# Altium PCB Motor Interface.PcbDoc (part 2 of 2) (continued)
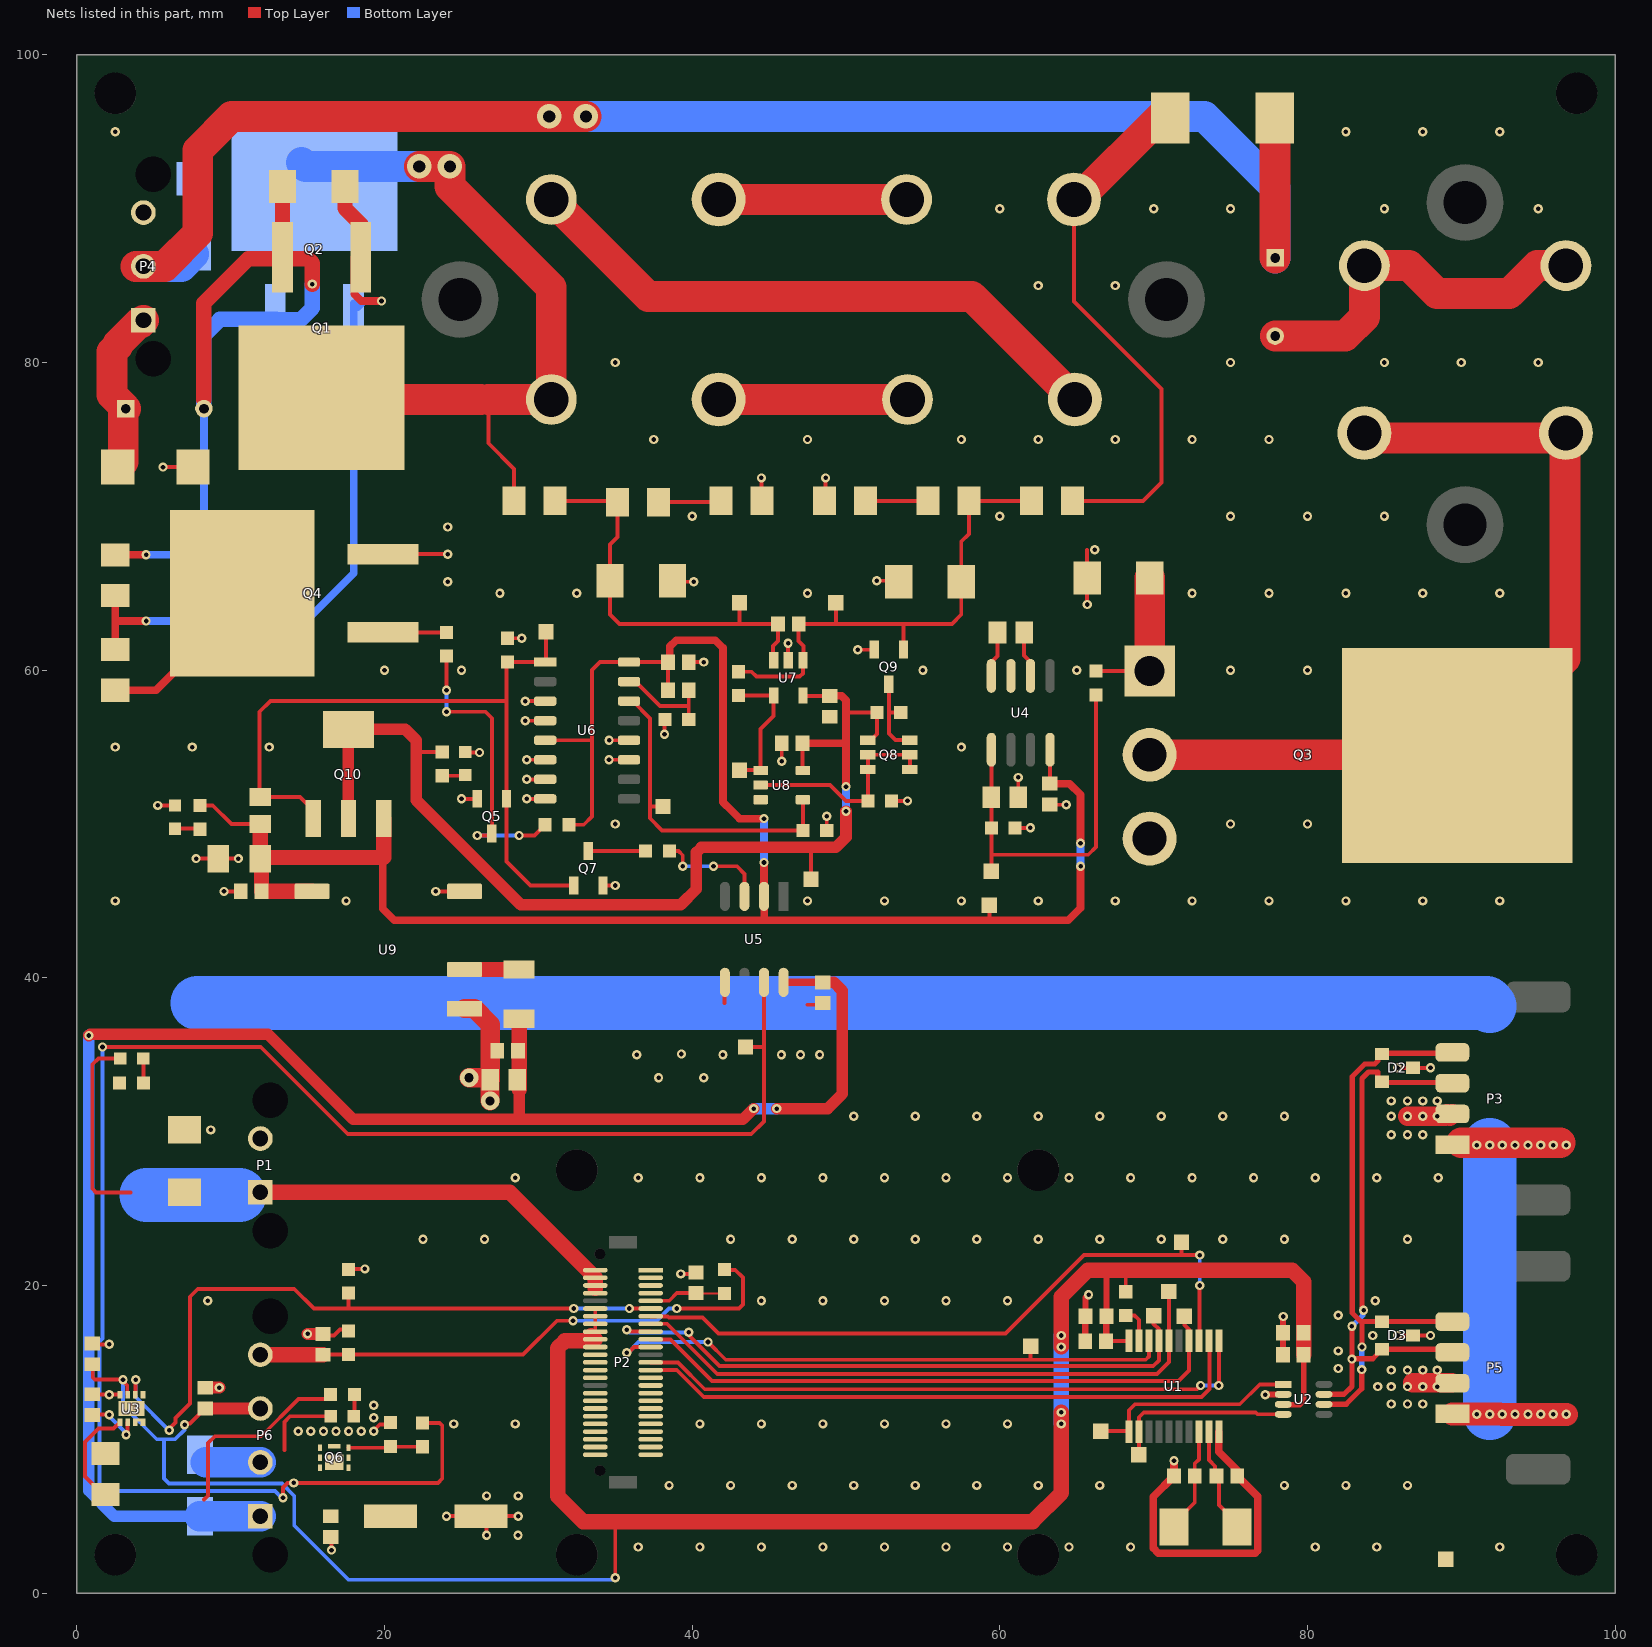
[diagram p2: the nets of this part, all layers, seen from the top]
## Part data (continued)
U9: "Isolated Module DC DC Converter 1 Output 12V 84mA 10.8V - 13.2V Input", Current - Output (Max)=84mA, Manufacturer 1="XP Power", Manufacturer Part Number 1=ISE1212A, Operating Temperature="-40°C ~ 105°C", Package / Case="8-SMD Module, 5 Leads", Power=1W, Supplier Part Number 1=1470-2950-1-ND, Voltage - Input (Max)=13.2V, Voltage - Input (Min)=10.8V, Voltage - Isolation="1.5kV (1500V)", Voltage - Output 1=12V, Voltage - Output 2=-, ComponentLink1Description=http://www.xppower.com/Portals/0/pdfs/SF_ISE.pdf, ComponentLink1URL=http://www.xppower.com/Portals/0/pdfs/SF_ISE.pdf, Efficiency=81%, Mounting Type="Surface Mount", Number of Outputs=1, Packaging="Cut Tape (CT)", Part Status=Active, Size / Dimension="0.50\" L x 0.44\" W x 0.29\" H (12.7mm x 11.2mm x 7.3mm)", Supplier 1=Digi-Key, Type="Isolated DCDC", Voltage - Output 3=-
Y1: "16MHz ±20ppm Crystal 18pF 40 Ohms 2-SMD, No Lead", Frequency=16MHz, Frequency Stability=±30ppm, Frequency Tolerance=±20ppm, Load Capacitance=18pF, Manufacturer="Abracon LLC", Manufacturer Part Number=ABM3-16.000MHZ-D2Y-T, Operating Mode=Fundamental, Operating Temperature="-40°C ~ 85°C", Package / Case="2-SMD, No Lead", Ratings=-, Supplier Part Number 1=535-10638-1-ND, Category="Crystals, Oscillators, Resonators", ComponentLink1Description=https://abracon.com/Resonators/abm3.pdf, ComponentLink1URL=https://abracon.com/Resonators/abm3.pdf, Height - Seated (Max)="0.051\" (1.30mm)", Mounting Type="Surface Mount", Packaging="Cut Tape (CT)", Part Status=Active, Pricing 1="1=1.02, 10=0.858, 50=0.7712, 100=0.6855, 500=0.6512 (CAD)", RoHS="RoHS Compliant", Size / Dimension="0.197\" L x 0.126\" W (5.00mm x 3.20mm)", Stock 1=27142, Supplier 1=Digi-Key, Type="MHz Crystal"

## Free pads (board coordinates)
  round 2.7 hole 2.7: ""(2.5,2.5) ""(2.5,97.5) ""(32.5,2.5) ""(32.5,27.5) ""(62.5,2.5) ""(62.5,27.5) ""(97.5,2.5) ""(97.5,97.5)

## Via types
v1: diameter 0.6, hole 0.3, Top Layer to Bottom Layer, tented both sides, 303 vias
v2: diameter 1.6, hole 0.8, Top Layer to Bottom Layer, tented both sides, 4 vias
v3: diameter 1.2, hole 0.6, Top Layer to Bottom Layer, tented both sides, 2 vias

## Nets (pads, with @x,y where several pads share a name; then routed paths per layer and width w, separated by ;. In a path a pad name is that pad's centre, name@x,y a point inside that pad or via, vN(x,y) a via of type N, cw(c..) or ccw(c..) an arc to the next point about the centre after c; other vN are vias at no path point)
3V3: C1.1 C2.1 C3.2 C4.2 C7.1 C8.1 P2.40 P2.41 P2.42 P2.43 P2.44 P2.45 P6.3 R2.2 U1.20 U2.3 U3.3 | length 152.6
  Top Layer w0.254: C8.1@1,14.875 1.032,14.843 1.032,14.024 1.181,13.875 v1(3,13.875) 3,13.781 3.277,13.504 3.277,12.923 U3.3@3.3,12.9 ; v1(7,10.95) 7.066,11.016 7.35,11.016 C7.1@8.333,12 ; P2.40@33.7,16 P2.41@33.7,16.5 ; P2.42@33.7,17 P2.43@33.7,17.5 P2.44@33.7,18 P2.45@33.7,18.5 ; v1(35,1) 35,4.65 ; C1.1@66.933,16.348 C1.1@66.907,16.374 66.916,16.383 66.933,16.4 U1.20@68.389,16.4 ; R2.2@68.188,19.591 68.188,21
  Top Layer w0.35: C2.1@66.916,17.991 C2.1@66.925,18 ; U2.3@78.425,12.275 78.444,12.256 79.494,12.256 79.5,12.25 79.75,12.5 C4.2@79.75,15.5
  Top Layer w0.4: C1.1@66.916,16.383 C2.1@66.916,17.991 ; C2.1@66.929,18.004 C2.1@66.925,18 66.925,20.925 67,21 ; 69,21 69.039,20.961
  Top Layer w0.8: C7.1@8.333,12 P6.3@11.93,12
  Top Layer w1: P2.41@33.7,16.5 33.45,16.75 33.103,16.403 31.728,16.403 31.25,15.925 31.25,6.3 32.9,4.65 35,4.65 62.137,4.65 64,6.513 v1(64,11) v1(64,11.75) ; v1(64,16) v1(64,16.75) 64,19.273 65.727,21 67,21 68.188,21 69,21 79,21 79.75,20.25 C4.2@79.75,15.5
  Bottom Layer w0.254: v1(3,13.875) 3,12.19 5.19,10 5.666,10 ; v1(7,10.95) 7,10.615 6.385,10 5.666,10 ; v1(35,1) 34.871,0.871 17.659,0.871 14.13,4.399 14.13,6.317 13.326,7.121 6,7.121 5.666,7.455 5.666,10
  Bottom Layer w1: v1(64,11) v1(64,11.75) v1(64,16) v1(64,16.75)
CAN_RX: CAN_RX.TP U1.2 U2.4 | length 12
  Top Layer w0.254: CAN_RX.TP@69.039,9 U1.2@69.039,10.5 69.039,11.436 69.354,11.75 76.625,11.75 76.75,11.625 U2.4@78.425,11.625
CAN_TX: CAN_TX.TP U1.1 U2.1 | length 14
  Top Layer w0.254: CAN_TX.TP@66.566,10.529 68.36,10.529 U1.1@68.389,10.5 68.389,11.889 68.775,12.275 75.6,12.275 76.9,13.575 U2.1@78.425,13.575
CONTACTOR_SENSE_IN: C9.1 P6.4 R5.1 R36.2 | length 35.9
  Top Layer w0.254: C9.1@16,15.5 R5.1@17.656,15.5 29,15.5 31.206,17.706 v1(32.25,17.706) ; v1(39,18.5) 43.043,18.5 43.293,18.75 43.293,20.507 42.8,21 42.126,21 R36.2@42.1,21.026
  Top Layer w1: P6.4@11.93,15.5 C9.1@16,15.5
  Bottom Layer w0.254: v1(32.25,17.706) 37.706,17.706 38.5,18.5 v1(39,18.5)
GND: C1.2 C2.2 C3.1 C4.1 C5.2 C6.2 C7.2 C8.2 C9.2 C10.2 C14.2 C15.2 C16.2 C21.2 C22.1 C27.2 D1.2 D2.3 D3.3 GND.TP P1.2 P2.1 P2.2 P2.3 P2.4 P2.26 P2.27 P2.28 P2.29 P3.2 P5.2 Q6.4 Q6.8 R1.2 R4.2 R5.2 R27.2 U1.10 U2.2 U3.4 U5.5 U9.1 | length 67.1
  Top Layer w0.254: C10.2@0.868,12.925 0.893,12.9 v1(2.1,12.9) U3.4@2.8,12.9 ; C8.2@1,16.225 1.05,16.175 v1(2.109,16.175) ; C9.2@16,16.85 16.1,16.75 16.728,16.75 17.104,17.126 17.579,17.126 R5.2@17.656,17.05 ; C15.2@16.5,3.65 16.554,3.596 v1(16.554,2.795) ; R4.2@17.656,21.05 17.681,21.075 v1(18.725,21.075) ; v1@19.3,10.574 19.689,10.963 20.208,10.963 20.36,11.115 R27.2@20.385,11.09 ; v1(24.025,5) C14.2@26.285,5 ; v1(26.635,3.755) 26.635,4.65 C14.2@26.285,5 ; v1(28.7,5) C14.2@26.285,5 ; v1(39.25,20.75) 40.15,20.75 C27.2@40.25,20.85 ; 42.1,38.355 42.114,38.369 42.114,39.691 U5.5@42.129,39.705 ; 47.5,38.25 48.395,38.25 C16.2@48.5,38.355 ; v1(85.85,16.75) D3.3@86.85,16.75 v1(88,16.75) ; v1(85.85,34.15) D2.3@86.85,34.15 v1(88,34.15)
  Top Layer w0.4: C1.2@65.507,16.324 C1.2@65.557,16.374 65.557,17.982 C2.2@65.575,18 65.575,19.205 v1(65.77,19.4) ; v1(77.25,12.9) 77.265,12.915 78.415,12.915 U2.2@78.425,12.925 ; C4.1@78.4,15.5 C3.1@78.4,16.915 78.412,16.927 78.412,17.97 v1(78.425,17.982)
  Top Layer w0.5: v1(71.321,8.6) C6.2@71.321,7.616 69.969,6.264 69.969,2.936 70.305,2.6 76.599,2.6 76.774,2.775 76.774,6.282 C5.2@75.439,7.616 75.439,7.982 74.239,9.182 U1.10@74.239,10.5
  Top Layer w0.8: C7.2@8.333,13.35 8.345,13.361 v1(9.25,13.361) ; v1(15,16.85) C9.2@16,16.85
  Top Layer w1: P5.2@89.395,13.675 P5.2@89.42,13.65
  Top Layer w1.25: U9.1@25.2,38 25.845,38 26.875,36.97 C22.1@26.875,33.381 ; v3(25.5,33.5) 26.656,33.5 26.706,33.55 C22.1@26.875,33.381 ; v3(26.859,32) 26.859,33.365 C22.1@26.875,33.381 ; v1(86.5,31) 88.92,31 89.082,31.163 89.245,31 P3.2@89.407,31.163 ; 86.85,13.675 P5.2@89.395,13.675
  other v1: 36.5,3 40.5,3 44.5,3 48.5,3 52.5,3 56.5,3 60.5,3 64.5,3 68.5,3 80.5,3 84.5,3 92.5,3 28.675,3.755 26.635,6.317 28.7,6.317 38.5,7 42.5,7 46.5,7 50.5,7 54.5,7 58.5,7 62.5,7 66.5,7 78.5,7 82.5,7 86.5,7 14.393,10.529 15.211,10.529 16.029,10.529 16.846,10.529 17.664,10.529 18.482,10.529 19.3,10.529 24.5,11 28.5,11 40.5,11 44.5,11 48.5,11 52.5,11 56.5,11 60.5,11 19.3,11.4 19.3,12.218 85.452,12.294 86.5,12.294 87.5,12.294 84.57,13.428 85.452,13.428 86.5,13.428 87.5,13.428 88.443,13.428 85.452,14.5 86.5,14.5 87.5,14.5 88.443,14.5 82,14.6 82,15.747 84.248,16.75 82,18.06 8.5,19 44.5,19 48.5,19 52.5,19 56.5,19 60.5,19 84.4,19 22.5,23 26.5,23 42.5,23 46.5,23 50.5,23 54.5,23 58.5,23 62.5,23 66.5,23 70.5,23 74.5,23 78.5,23 86.5,23 28.5,27 36.5,27 40.5,27 44.5,27 48.5,27 52.5,27 56.5,27 60.5,27 64.5,27 68.5,27 72.5,27 76.5,27 80.5,27 84.5,27 88.5,27 85.452,29.794 86.5,29.794 87.5,29.794 8.7,30.115 50.5,31 54.5,31 58.5,31 62.5,31 66.5,31 70.5,31 74.5,31 78.5,31 85.452,31 87.5,31 88.443,31 85.452,32 86.5,32 87.5,32 88.443,32 37.815,33.5 40.75,33.5 36.4,35 42,35 45.799,35 47.042,35 48.285,35 39.3,35.05
HV_IN: D11.1 F1.1 P4.1 | length 11
  Top Layer w2: D11.1@2.649,73.2 3.02,73.571 F1.1@3.02,77 ; F1.1@3.18,77 2.276,77.904 2.276,80.7 2.654,81.078 2.654,81.204 4.002,82.552 4.128,82.552 P4.1@4.326,82.75
HV_IN_FUSED: D4.2 F1.2 Q1.3 Q2.3 R13.1 | length 49.4
  Top Layer w0.5: R13.1@2.492,67.5 2.53,67.463 2.567,67.5 v1(4.5,67.5) ; Q1.3@12.97,86.85 Q1.3@13.262,87.143
  Top Layer w1: 8.26,77.58 8.26,83.86 11.15,86.75 Q1.3@12.87,86.75 ; Q1.3@13.262,87.143 Q1.3@13.37,87.035 ; D4.2@13.37,91.449 Q1.3@13.37,87.035 ; v1(15.304,85.101) 15.304,86.457 15.011,86.75 13.27,86.75 Q1.3@13.37,86.85 Q1.3@13.37,87.035
  Bottom Layer w0.5: v1(4.5,67.5) 6.508,67.5 8.26,69.252 F1.2@8.26,77
  Bottom Layer w1: F1.2@8.26,77 8.26,81.77 9.292,82.802 Q2.3@12.97,82.802 ; Q2.3@12.9,82.8 14.56,82.8 15.304,83.544 v1(15.304,85.101)
IN+: C19.1 D7.2 IN+.TP Q9.3 R12.2 R18.1 R26.1 U7.1 | length 33.4
  Top Layer w0.254: R26.1@43,59.9 43.85,59.9 44.17,59.58 46.985,59.58 47.2,59.795 U7.1@47.2,60.65 47.25,60.7 47.25,61.575 46.925,61.9 C19.1@46.925,63 49.25,63 ; IN+.TP@49.338,64.38 49.338,63.088 49.25,63 ; Q9.3@53.735,61.345 53.735,62.915 53.65,63 ; R12.2@62.071,71 R18.1@57.992,71 57.992,68.86 57.492,68.36 D7.2@57.492,65.75 57.492,63.607 56.885,63 53.65,63 ; 49.25,63 53.65,63
IN-: C19.2 D6.2 IN-.TP R11.2 R17.1 U7.3 | length 26.7
  Top Layer w0.254: R11.2@31.075,71 35.079,71 R17.1@35.154,70.925 35.154,68.659 34.654,68.159 D6.2@34.654,65.814 34.654,63.615 35.27,63 43,63 ; IN-.TP@43.08,64.38 43.08,63.08 43,63 ; U7.3@45.3,60.65 45.25,60.7 45.25,61.575 45.575,61.9 C19.2@45.575,63 43,63
ISO_12V: C11.2 C17.2 C20.1 C23.1 C24.2 C25.1 ISO_12V.TP Q10.3 R16.1 R34.2 U4.8 U5.2 U6.5 U6.16 U9.5 | length 130.9
  Top Layer w0.254: R34.2@8,51.21 8.834,51.21 10.044,50 C25.1@11.93,50 ; U6.5@30.445,55.445 33.5,55.445 ; R16.1@31.995,49.953 32.953,49.953 33.5,50.5 33.5,55.445 ; C20.1@38.429,58.695 C17.2@38.429,60.525 U6.16@35.895,60.525 34.003,60.525 33.5,60.022 33.5,55.445 ; ISO_12V.TP@59.325,44.713 59.325,43.925 59.5,43.75 ; C11.2@63.25,52.625 63.26,52.635 U4.8@63.26,54.83
  Top Layer w0.5: 19.956,47.825 19.89,47.759 19.89,44.495 20.635,43.75 44.75,43.75 ; C17.2@38.429,60.525 38.547,60.643 38.547,61.539 38.958,61.95 41.5,61.95 42,61.45 42,51.43 42.6,50.83 43.08,50.35 v1(44.669,50.35) ; v1(44.669,47.5) U5.2@44.669,45.295 44.695,45.268 44.695,43.805 44.75,43.75 ; C11.2@63.25,52.625 64.531,52.625 65.25,51.906 65.25,48.754 v1(65.246,48.75) ; v1(65.25,47.25) 65.25,44.543 64.457,43.75 59.5,43.75 44.75,43.75
  Top Layer w1: C25.1@11.93,50 C24.2@11.93,47.75 ; U9.5@15.29,45.62 C23.1@12,45.62 12,47.68 C24.2@11.93,47.75 ; Q10.3@19.956,50.35 19.956,47.825 12.005,47.825 C24.2@11.93,47.75
  Bottom Layer w0.5: v1(44.669,47.5) v1(44.669,50.35) ; v1(65.246,48.75) 65.248,48.748 65.248,47.252 v1(65.25,47.25)
ISO_12V_SW: C18.2 C26.2 ISO_12V_SW.TP Q8.4 Q10.2 Q10.4 R32.1 R35.2 U7.5 U8.5 | length 72.8
  Top Layer w0.254: 22.059,54.75 22.123,54.686 R35.2@23.75,54.686 ; C18.2@47.175,55.25 47.175,53.505 U8.5@47.2,53.48 ; U7.5@47.2,58.35 47.225,58.325 C26.2@48.938,58.325 ; 47.6,48.475 47.725,48.35 ISO_12V_SW.TP@47.725,46.397 ; 50,57.25 R32.1@52.01,57.25 52.01,55.84 51.62,55.45 Q8.4@51.42,55.45
  Top Layer w0.5: C18.2@47.175,55.25 49.984,55.25 50,55.234 ; C26.2@48.938,58.325 48.943,58.33 49.707,58.33 50,58.037 50,57.25 50,55.234 ; v1(50,52.43) 50,55.234
  Top Layer w0.75: Q10.2@17.656,50.35 Q10.4@17.656,56.15 21.35,56.15 22.059,55.441 22.059,54.75 22.059,51.554 28.863,44.75 39.252,44.75 40.277,45.775 40.277,48.152 40.6,48.475 47.6,48.475 49.338,48.475 50,49.137 v1(50,50.83)
  Bottom Layer w0.5: v1(50,50.83) v1(50,52.43)
ISO_GND: C11.1 C13.2 C17.1 C18.1 C23.2 C24.1 C26.1 D6.1 D7.1 D8.2 D10.2 D11.2 LED3.2 LED4.2 P4.3 Q3.3 Q4.3 Q5.2 Q7.2 Q9.2 R21.2 R22.2 R23.2 R29.1 R30.1 R31.2 R33.2 U4.3 U6.3 U6.4 U6.6 U6.7 U6.8 U6.11 U6.12 U7.2 U8.3 U9.4 | length 45.5
  Top Layer w0.254: v1(5.25,51.21) 6.363,51.21 LED3.2@6.373,51.2 ; v1(5.6,73.2) D11.2@7.551,73.2 ; v1(7.75,47.75) C24.1@9.18,47.75 v1(10.5,47.75) ; v1(9.56,45.62) C23.2@10.65,45.62 ; Q4.3@19.9,67.54 v1(24.104,67.54) ; v1(23.325,45.62) U9.4@25.2,45.62 ; v1(25,51.635) Q5.2@26.025,51.635 ; LED4.2@25.25,54.686 25.286,54.65 v1(26.175,54.65) ; R30.1@28,62.075 v1(28.925,62.075) ; v1(29.15,56.715) U6.4@30.445,56.715 ; v1(29.15,57.985) U6.3@30.445,57.985 ; v1(29.245,54.175) U6.6@30.445,54.175 ; v1(29.25,51.635) U6.8@30.445,51.635 ; v1(29.25,52.905) U6.7@30.445,52.905 ; Q7.2@34.2,46 v1(35,46) ; v1(34.596,54.175) U6.11@35.895,54.175 ; v1(34.6,55.445) U6.12@35.895,55.445 ; v1(38.204,55.84) 38.204,56.765 R31.2@38.229,56.79 ; D6.1@38.718,65.814 38.782,65.75 v1(40.1,65.75) ; C17.1@39.779,60.525 v1(40.75,60.525) ; v1(44.5,72.5) 44.5,71.034 R23.2@44.534,71 ; v1(45.825,54.08) C18.1@45.825,55.25 ; v1(46.234,61.75) 46.242,61.742 U7.2@46.242,60.658 ; R22.2@48.613,71 48.675,71.062 v1(48.675,72.5) ; R29.1@48.75,49.575 v1(48.75,50.51) ; v1(50.763,61.33) 51.82,61.33 Q9.2@51.835,61.345 ; v1(52,65.814) 53.364,65.814 D7.1@53.428,65.75 ; R33.2@52.97,51.5 v1(54,51.5) ; R21.2@61,49.75 v1(61.99,49.75) ; C13.2@61.2,51.75 v1(61.2,53.03) ; C11.1@63.25,51.275 63.275,51.25 v1(64.321,51.25) ; v1(65.677,64.273) D8.2@65.677,66 65.677,67.826
  other v1: 2.5,45 17.5,45 47.5,45 52.5,45 57.5,45 62.5,45 67.5,45 72.5,45 77.5,45 82.5,45 87.5,45 92.5,45 35,50 75,50 80,50 2.5,55 7.5,55 12.5,55 57.5,55 20,60 25,60 55,60 65,60 75,60 80,60 27.5,65 32.5,65 47.5,65 72.5,65 77.5,65 82.5,65 87.5,65 92.5,65 24.112,65.75 66.177,67.826 24.108,69.306 40,70 60,70 75,70 80,70 85,70 37.5,75 47.5,75 57.5,75 62.5,75 67.5,75 72.5,75 77.5,75 35,80 75,80 85,80 90,80 95,80 62.5,85 67.5,85 60,90 70,90 75,90 85,90 95,90 2.5,95 82.5,95 87.5,95 92.5,95
ISO_LATCH_OUT: C25.2 ISO_LATCH_OUT.TP Q5.3 Q7.3 Q10.1 R30.2 U6.1 | length 48.7
  Top Layer w0.254: Q10.1@15.356,50.35 15.356,50.902 14.508,51.75 C25.2@11.93,51.75 11.878,51.75 11.878,57.298 12.584,58.004 24.24,58.004 24.244,58 27.925,58 ; ISO_LATCH_OUT.TP@30.5,62.5 30.5,60.58 U6.1@30.445,60.525 R30.2@28,60.525 27.925,60.45 27.925,58 ; Q7.3@32.3,46 29.5,46 27.925,47.575 Q5.3@27.925,51.635 27.925,58
MOTOR_CONTROLLER_CAN_N: D2.1 D3.1 P3.4 P5.4 U2.6 | length 36.7
  Top Layer w0.34: U2.6@81.075,12.275 82.514,12.275 83.523,13.284 v1(83.523,14.529) ; v1(83.549,16.002) 83.549,17.568 83.511,17.606 ; P5.4@89.42,17.65 D3.1@84.85,17.65 83.555,17.65 83.511,17.606 ; P3.4@89.42,35.15 89.37,35.1 84.9,35.1 D2.1@84.85,35.05 84.8,35.05 84.57,34.82 84.57,34.595 84.371,34.396 83.729,34.396 82.914,33.581 82.914,18.203 83.511,17.606
  Bottom Layer w0.34: v1(83.523,14.529) 83.536,14.541 83.536,15.989 v1(83.549,16.002)
MOTOR_CONTROLLER_CAN_P: D2.2 D3.2 P3.3 P5.3 U2.7 | length 35.9
  Top Layer w0.34: U2.7@81.075,12.925 82.381,12.925 82.888,13.433 v1(82.888,15.215) ; v1(82.888,17.348) v1(82.888,15.215) ; v1(83.65,18.39) 83.551,18.489 83.551,33.451 83.976,33.876 84.57,33.876 84.57,33.48 84.8,33.25 D2.2@84.85,33.25 84.9,33.2 89.37,33.2 P3.3@89.42,33.15 ; P5.3@89.42,15.65 89.22,15.85 D3.2@84.85,15.85 84.24,15.24 83.015,15.24 82.99,15.215 v1(82.888,15.215)
  Bottom Layer w0.34: v1(82.888,17.348) 83.601,18.06 83.601,18.34 v1(83.65,18.39)
MOTOR_CONTROLLER_CONTACTOR_GND: D9.1 LED2.2 P6.2 Q6.1 Q6.2 Q6.5 Q6.6 Q6.7 | length 8.5
  Top Layer w0.254: 13.489,9.3 13.489,11.127 13.862,11.5 LED2.2@16.5,11.5
  Bottom Layer w2: D9.1@8.4,8.5 P6.2@11.93,8.5
MOTOR_CONTROLLER_HV: D5.1 D10.1 F2.1 P4.2 | length 102.9
  Top Layer w2: P4.2@3.826,86.25 P4.2@4.326,86.25 5.704,86.25 7.856,88.402 7.856,93.796 10.06,96 v2(30.7,96) v2(33.092,96) ; D5.1@77.887,95.9 77.887,86.813 F2.1@77.9,86.8
  Bottom Layer w2: P4.2@4.326,86.25 6.801,86.25 D10.1@7.6,87.049 ; v2(30.7,96) v2(33.092,96) 73.301,96 77.9,91.401 F2.1@77.9,86.8
NetAND_OUT_TP: AND_OUT.TP R29.2 U6.14 U8.4 | length 21.5
  Top Layer w0.254: U6.14@35.895,57.985 36.135,57.985 37.25,56.87 37.25,51.177 ; AND_OUT.TP@38.1,51.141 37.286,51.141 37.25,51.177 ; U8.4@47.2,51.58 R29.2@47.2,49.575 39,49.575 38.05,49.575 37.25,50.375 37.25,51.177
NetC5_1: C5.1 U1.9 Y1.1 | length 7
  Top Layer w0.254: U1.9@73.589,10.5 73.589,8.661 74,8.25 74,7.706 C5.1@74.089,7.616 74.239,7.466 74.239,5.734 75.421,4.552 Y1.1@75.421,4.302
NetC6_1: C6.1 U1.8 Y1.2 | length 6.9
  Top Layer w0.254: Y1.2@71.321,4.302 71.321,4.552 72.671,5.902 C6.1@72.671,7.616 72.671,8.421 72.939,8.689 U1.8@72.939,10.5
NetC10_1: C10.1 U3.6 | length 3.9
  Top Layer w0.254: C10.1@0.868,11.575 0.893,11.6 v1(2.1,11.6) ; v1(3.2,10.29) 3.2,10.384 3.3,10.484 U3.6@3.3,11.1
  Bottom Layer w0.254: v1(2.1,11.6) 2.1,11.506 3.2,10.406 v1(3.2,10.29)
NetC12_1: C12.1 U4.2 | length 3
  Top Layer w0.254: C12.1@61.595,62.45 61.571,62.426 61.571,60.942 61.99,60.524 U4.2@61.99,59.63
NetC12_2: C12.2 U4.4 | length 3
  Top Layer w0.254: U4.4@59.45,59.63 59.45,60.524 59.845,60.919 C12.2@59.845,62.45
NetC13_1: C13.1 DISC_GATE.TP R19.1 R21.1 U4.5 | length 24.8
  Top Layer w0.254: DISC_GATE.TP@59.45,46.926 59.45,48 ; U4.5@59.45,54.83 C13.1@59.45,51.75 R21.1@59.45,49.75 59.45,48 ; R19.1@66.25,58.4 66.25,48.5 65.75,48 59.45,48
NetC20_2: C20.2 R31.1 U6.15 | length 6.5
  Top Layer w0.254: U6.15@35.895,59.255 36.32,59.255 37.9,57.675 39.712,57.675 39.779,57.743 ; R31.1@39.779,56.79 39.779,57.743 ; C20.2@39.779,58.695 39.779,57.743
NetCOMP_OUT_TP: COMP_OUT.TP R26.2 U7.4 U8.1 | length 8.9
  Top Layer w0.254: R26.2@43,58.35 U7.4@45.3,58.35 45.3,57.021 44.45,56.171 U8.1@44.45,53.48 44.43,53.5 COMP_OUT.TP@43.08,53.5
NetD4_1: D4.1 Q1.1 Q2.1 R13.2 R15.1 | length 49.3
  Top Layer w0.5: R15.1@2.492,61.345 2.492,63.25 ; R13.2@2.492,64.85 2.492,63.25 ; v1(4.5,63.2) 2.543,63.2 2.492,63.25 ; Q1.1@18.05,86.85 18.05,84.432 18.482,84 v1(19.8,84)
  Top Layer w1: D4.1@17.434,91.449 17.434,90.022 18.45,89.006 Q1.1@18.45,86.85
  Bottom Layer w0.5: v1(4.5,63.2) 14.904,63.2 18,66.296 18,83.85 18.25,83.6 18.65,84 v1(19.8,84)
NetD5_2: D5.2 R9.2 R12.1 | length 34.7
  Top Layer w0.254: R12.1@64.721,71 69.3,71 70.5,72.2 70.5,78.289 64.821,83.968 R9.2@64.821,90.6
  Top Layer w2: R9.2@65.16,90.7 D5.2@70.56,96.1
NetD8_1: D8.1 Q3.1 R19.2 | length 9.5
  Top Layer w0.254: R19.2@66.25,59.95 Q3.1@69.741,59.95
  Top Layer w2: Q3.1@69.741,59.95 D8.1@69.741,66
NetF2_2: F2.2 R10.1 R14.1 | length 24.3
  Top Layer w2: F2.2@77.9,81.72 82.453,81.72 83.7,82.967 R10.1@83.7,86.3 86.609,86.3 88.427,84.482 93.123,84.482 94.941,86.3 R14.1@96.8,86.3
NetL1_2: L1.2 U9.2 | length 3.6
  Top Layer w1: U9.2@25.2,40.54 L1.2@28.75,40.54
NetLATCH_OUT1_TP: LATCH_OUT1.TP R25.1 U5.7 | length 113
  Top Layer w0.254: v1(1.667,35.5) 11.95,35.5 17.61,29.84 43.84,29.84 44.669,30.669 44.669,35.5 ; v1(13.4,6.2) 13.4,6.869 13.697,7.167 v1(14.1,7.167) 23.479,7.167 23.75,7.438 23.75,10.897 23.582,11.065 R25.1@22.475,11.065 22.5,11.09 22.425,11.165 R25.1@22.5,11.24 ; LATCH_OUT1.TP@43.464,35.5 44.669,35.5 ; U5.7@44.669,39.705 44.669,35.5
  Bottom Layer w0.254: v1(1.667,35.5) 1.667,16.553 1.48,16.365 1.48,7.12 1.975,6.625 12.881,6.625 13.306,6.2 v1(13.4,6.2)
NetLED1_2: LED1.2 R1.1 | length 1.6
  Top Layer w0.254: R1.1@4.322,33.15 LED1.2@4.322,34.76
NetLED2_1: LED2.1 R24.1 | length 1.4
  Top Layer w0.254: LED2.1@18,11.5 18.05,11.55 R24.1@18.05,12.905
NetLED3_1: LED3.1 R34.1 | length 1.6
  Top Layer w0.254: LED3.1@6.373,49.7 7.96,49.7 R34.1@8,49.66
NetLED4_1: LED4.1 R35.1 | length 1.5
  Top Layer w0.254: R35.1@23.75,53.136 25.2,53.136 LED4.1@25.25,53.186
NetQ1_4: Q1.4 Q2.4 R6.1 R11.1 | length 50.7
  Top Layer w0.254: 26.75,77.6 26.75,74.75 28.425,73.075 R11.1@28.425,71
  Top Layer w2: Q1.4@14.61,77.6 26.25,77.6 ; v2(22.25,92.75) v2(24.25,92.75) 24.25,91.449 26.849,88.85 26.869,88.85 30.841,84.878 R6.1@30.841,77.6 26.75,77.6
  Bottom Layer w2: Q2.4@14.61,93 14.86,92.75 v2(22.25,92.75)
NetQ3_2: Q3.2 R10.2 R14.2 | length 57
  Top Layer w2: Q3.2@69.741,54.5 89.691,54.5 Q3.2@89.741,54.45 93.75,58.459 94.459,58.459 96.741,60.741 96.741,75.1 84.341,75.1 R10.2@83.941,75.5
NetQ4_1: Q4.1 R20.2 | length 4.1
  Top Layer w0.254: Q4.1@19.9,62.46 R20.2@24.025,62.46
NetQ4_4: Q4.4 R15.2 | length 11.3
  Top Layer w0.5: R15.2@2.492,58.695 5.145,58.695 10.75,64.3 Q4.4@10.75,65
NetQ6_3: Q6.3 R25.2 R27.1 | length 4.9
  Top Layer w0.254: Q6.3@17.656,9.45 20.295,9.45 R27.1@20.385,9.54 20.41,9.515 R25.2@22.475,9.515
NetQ7_1: Q7.1 R28.1 | length 3.7
  Top Layer w0.254: Q7.1@33.25,48.25 R28.1@36.975,48.25
NetQ8_1: Q8.1 Q8.2 Q8.5 Q8.6 R33.1 U8.2 | length 14.1
  Top Layer w0.254: U8.2@44.45,52.53 48.97,52.53 50,51.5 R33.1@51.42,51.5 Q8.6@51.42,53.55 Q8.5@51.42,54.5 Q8.2@54.15,54.5 Q8.1@54.15,53.55
NetQ8_3: Q8.3 Q9.1 R32.2 | length 5.5
  Top Layer w0.254: Q9.1@52.785,59.095 52.785,57.25 ; R32.2@53.56,57.25 52.785,57.25 ; Q8.3@54.15,55.45 53.23,55.45 52.785,55.895 52.785,57.25
NetR2_1: R2.1 U1.19 | length 2.3
  Top Layer w0.254: R2.1@68.188,18.041 68.768,18.041 69.039,17.769 U1.19@69.039,16.4
NetR3_2: R3.2 U3.5 | length 6.9
  Top Layer w0.254: R3.2@1.86,6.418 1.685,6.418 0.533,7.57 0.533,9.812 1.412,10.69 2.39,10.69 U3.5@2.8,11.1 ; R3.2@2.085,6.393 R3.2@2.11,6.418
NetR6_2: R6.2 R7.1 | length 12.3
  Top Layer w2: R6.2@41.721,77.6 R7.1@54,77.6
NetR7_2: R7.2 R8.1 | length 39.4
  Top Layer w2: R8.1@30.841,90.6 37.141,84.3 58.18,84.3 R7.2@64.88,77.6
NetR8_2: R8.2 R9.1 | length 12.2
  Top Layer w2: R8.2@41.721,90.6 R9.1@53.941,90.6
NetR17_2: R17.2 R23.1 | length 4.1
  Top Layer w0.254: R17.2@37.804,70.925 41.809,70.925 R23.1@41.884,71
NetR18_2: R18.2 R22.1 | length 4.1
  Top Layer w0.254: R22.1@51.263,71 R18.2@55.342,71
NetR28_2: R28.2 U5.3 | length 7.4
  Top Layer w0.254: R28.2@38.525,48.25 39.1,48.25 39.384,47.966 v1(39.384,47.251) ; v1(41.384,47.252) 42.907,47.252 43.399,46.76 U5.3@43.399,45.295
  Bottom Layer w0.254: v1(39.384,47.251) v1@41.383,47.251
nISO_LATCH_OUT: Q5.1 R16.2 R20.1 | length 19.9
  Top Layer w0.254: v1(24.025,57.298) 26.552,57.298 26.975,56.875 Q5.1@26.975,49.385 26.843,49.253 v1(26.025,49.253) ; v1(24.025,58.7) R20.1@24.025,60.91 ; v1(28.75,49.253) 29.745,49.253 R16.2@30.445,49.953
  Bottom Layer w0.254: v1(24.025,57.298) v1(24.025,58.7) ; v1(26.025,49.253) v1(28.75,49.253)
PA0/AN0: P2.25
PA1/AN1: P2.24
PA2: P2.23
PA3: P2.22
PA4/AN4/SPI1_NSS: P2.21
PA5: P2.20
PA6/AN6: P2.19
PA7: P2.18
PA8_nCAN_INTERRUPT: nCAN_INT.TP P2.7 U1.13 | length 44.7
  Top Layer w0.254: P2.7@37.3,18 37.309,17.991 38.408,17.991 38.478,17.921 40.671,17.921 41.709,16.882 60.382,16.882 65.475,21.975 71.814,21.975 ; nCAN_INT.TP@71.814,22.8 71.814,21.975 ; U1.13@72.939,16.4 72.97,16.43 72.97,19.97 v1(73,20) ; v1(73,21.975) 71.814,21.975
  Bottom Layer w0.254: v1(73,20) v1(73,21.975)
PA9_PRECHARGE_EN: P2.6 R4.1 U3.2 | length 46.2
  Top Layer w0.254: U3.2@3.8,12.9 3.813,12.913 3.813,13.862 v1(3.826,13.875) ; v1(6,10.58) 6,10.674 6.421,11.095 6.421,11.388 7.35,12.317 7.35,19.266 7.859,19.775 14.13,19.775 15.405,18.5 17.75,18.5 ; R4.1@17.656,19.5 17.656,18.594 17.75,18.5 ; v1(32.3,18.5) 23,18.5 17.75,18.5 ; v1(35.921,18.5) P2.6@37.3,18.5
  Bottom Layer w0.254: v1(3.826,13.875) 3.826,12.754 v1(6,10.58) ; v1(32.3,18.5) v1(35.921,18.5)
PA10_CONTACTOR_MONITOR: C27.1 P2.5 R36.1 | length 5
  Top Layer w0.152: C27.1@40.274,19.476 R36.1@42.1,19.476
  Top Layer w0.254: P2.5@37.3,19 37.309,19.009 38.509,19.009 39,19.5 C27.1@40.25,19.5
PA15/LED_RED: P2.39
PB0: P2.17
PB1/AN9: P2.16
PB2: P2.15
PB3/LED_GREEN: P2.38
PB4/LED_BLUE: P2.37
PB5/LED_BLUE: P2.36
PB6/USART1_TX: P2.34
PB7/USART1_RX: P2.33
PB8: P2.32
PB9: P2.31
PB10_nRX0BF: P2.14 U1.12 | length 40.4
  Top Layer w0.254: P2.14@37.3,14.5 39,14.5 40.75,12.75 73.119,12.75 73.629,13.26 73.629,16.36 U1.12@73.589,16.4
PB11_nRX1BF: P2.13 U1.11 | length 40.7
  Top Layer w0.254: P2.13@37.3,15 39.075,15 40.819,13.255 72.805,13.255 v1(73.05,13.5) ; v1(74.239,13.5) U1.11@74.239,16.4
  Bottom Layer w0.254: v1(73.05,13.5) v1(74.239,13.5)
PB12_SPI2_NSS: nCS.TP P2.11 U1.18 | length 38.4
  Top Layer w0.254: v1(35.75,15.621) 35.844,15.621 36.213,15.991 37.291,15.991 P2.11@37.3,16 ; v1(41.028,16.324) 42.181,15.171 62,15.171 ; nCS.TP@62,16.039 62,15.171 ; U1.18@69.689,16.4 69.689,15.373 69.487,15.171 62,15.171
  Bottom Layer w0.254: v1(35.75,15.621) 35.817,15.621 36.519,16.324 v1(41.028,16.324)
PB13_SPI2_SCK: P2.10 SCK.TP U1.14 | length 40
  Top Layer w0.254: P2.10@37.3,16.5 38.6,16.5 41.3,13.8 71.614,13.8 72.289,14.475 U1.14@72.289,16.4 72.289,17.136 71.996,17.429 SCK.TP@71.996,18.004
PB14_SPI2_MISO: MISO.TP P2.9 U1.17 | length 40.5
  Top Layer w0.254: v1(35.75,17.126) 35.876,17 P2.9@37.3,17 ; v1(39.779,16.956) 39.845,16.889 39.845,16.687 41.768,14.764 69.976,14.764 70.339,15.128 U1.17@70.339,16.4 70.339,17.157 70,17.496 MISO.TP@70,18.028
  Bottom Layer w0.254: v1(35.75,17.126) 35.921,16.956 v1(39.779,16.956)
PB15_SPI2_MOSI: MOSI.TP P2.8 U1.16 | length 40
  Top Layer w0.254: P2.8@37.3,17.5 37.291,17.509 38.367,17.509 41.629,14.247 70.219,14.247 70.989,15.018 U1.16@70.989,16.4 MOSI.TP@70.989,19.609
PC13: P2.30
VBAT: D1.1 LED1.1 P1.1 P2.47 P2.48 P2.49 P2.50 P3.1 P5.1 U3.1 U3.9 | length 158.6
  Top Layer w0.254: LED1.1@2.822,34.76 1.405,34.76 1,34.355 1,26.306 1.255,26.051 3.5,26.051
  Top Layer w1: P1.1@11.93,26.051 28.149,26.051 P2.49@33.7,20.5 P2.48@33.7,20 33.7,19.802
  Top Layer w1.5: P5.1@89.42,11.65 v1@92.5,11.65 ; v1(92.67,11.625) v1(93.49,11.625) v1(94.34,11.625) v1(95.16,11.625) v1(95.98,11.625) v1(96.83,11.625)
  Top Layer w2: P3.1@90.017,29.275 93.097,29.275 ; 93.131,29.275 96.436,29.275
  Bottom Layer w3.5: 4.522,25.878 10.57,25.878 ; 7.851,38.355 91.645,38.355 91.85,38.15 ; v1@91.85,11.7 v1(91.85,29.125)
  other v1: 91,11.625 91.85,11.625 91,29.125 92.67,29.125 93.49,29.125 94.34,29.125 95.16,29.125 95.98,29.125 96.83,29.125
VBAT_PRECHARGE_SW: C14.1 C15.1 C16.1 C21.1 C22.2 D9.2 L1.1 P6.1 R3.1 R24.2 U3.7 U3.8 U5.8 | length 123.6
  Top Layer w0.254: 8.264,6.075 8.52,6.331 8.52,9.75 8.969,10.199 11.987,10.199 14.394,12.607 16.202,12.607 R24.2@16.5,12.905
  Top Layer w0.5: U5.8@45.939,39.705 C16.1@48.5,39.705
  Top Layer w0.75: v1(0.781,36.25) 0.859,36.327 12.423,36.327 17.959,30.791 28.75,30.791 43.293,30.791 v1(44.002,31.5) ; 28.75,31 C22.2@28.75,32.75 ; v1(45.5,31.5) 48.806,31.5 49.756,32.45 49.756,39.167 49.218,39.705 C16.1@48.5,39.705
  Top Layer w1: C22.2@28.75,32.75 L1.1@28.75,37.34
  Bottom Layer w0.75: v1(0.781,36.25) 0.781,6.654 2.435,5 D9.2@8,5 ; v1(44.002,31.5) v1(45.5,31.5)
  Bottom Layer w2: D9.2@8,5 P6.1@11.93,5
pads on no net: M1.6 M1.7 M!1.6 M!1.7 P1. P2. P2.12 P2.35 P2.46 P3.7 P4. P5.7 P6. U1.3 U1.4 U1.5 U1.6 U1.7 U1.15 U2.5 U2.8 U4.1 U4.6 U4.7 U5.1 U5.4 U5.6 U6.2 U6.9 U6.10 U6.13 U9.8

## Polygon pours and split planes (outlines as drawn)
ISO_GND on Top Layer "ISO_GND_L01_P028" (solid, remove dead copper, pour order 28): 0,43.75 0,100 100,100 100,44
GND on Top Layer "GND_L01_P027" (solid, remove dead copper, pour order 27): 0,41.509 100,41.509 100,0 0,0
MOTOR_CONTROLLER_CONTACTOR_GND on Top Layer "MOTOR_CONTROLLER_CONTACTOR_GND_L01_P024" (solid, pour order 24): 10,9.69 18.5,9.69 18.5,7.05 18.488,7.037 10,7.037
VBAT_PRECHARGE_SW on Top Layer "Top Layer-VBAT_PRECHARGE_SW" (solid, remove dead copper, pour order 26): 0.414,10.875 5.5,10.875 5.425,10.8 5.425,7.05 22.835,7.05 22.835,0 0.414,0
VBAT on Top Layer "Top Layer-VBAT" (solid, pour order 25): 14.5,28 14.5,21 7,21 7,10.95 1.75,10.95 1.75,28
VBAT on Bottom Layer "COMPONENT_SIDE_NONET_P-001" (solid, pour order 29): 0,41.54 0,23 16.128,23 16.128,27.978 16.1,28.006 7.35,28 7.35,35.978 7.242,36.085 1240.654,36.25 89.57,36.25 89.57,7.167 100,7.167 100,41.231
GND on Bottom Layer "GND_L02_P030" (solid, remove dead copper, pour order 30): 0,41.509 100,41.509 100,0 0,0
ISO_GND on Bottom Layer "ISO_GND_L02_P031" (solid, remove dead copper, pour order 31): 0,43.75 0,100 100,100 100,44

## Keep-outs
Keep-Out Layer:
  the board outline again, w0.254

## Other copper
Top Layer:
  pour cut-out: 23.67,38.974 23.67,34.079 26.491,31.258 28,31.258 28,38.551 28,38.935
  pour cut-out: 74.718,9.821 77.1,7.439 77.1,2.3 69.6,2.3 69.6,6.764 70.646,7.811 70.646,10.771 74.718,10.702
Bottom Layer:
  text "MS40014 REV 4.0" at 93.8,1 h1

## Silkscreen, mask and mechanical layers (free items; w line width, h text height)
Top Overlay:
  lines w0.254: 30,0 30,30 65,30 65,0
  text "ISO 12V" at 3.769,55.177 h0.8 r270
  text "12V SW" at 22.352,51.5 h0.8
  text "MOTOR CONTROLLER INTERFACE / REV 4" at 52.9,36.743 h1.2
  text "VBAT" at 2.19,35.649 h0.8
  text "CAN L" at 78.552,34.75 h0.8
  text "CAN H" at 78.502,32.8 h0.8
  text "GND" at 78.54,30.763 h0.8
  text "GND" at 15.52,29.1 h0.8
  text "VBAT" at 78.552,28.75 h0.8
  text "VBAT" at 15.52,25.6 h0.8
  text "PRECHG PWR" at 1.146,4.517 h0.8
Bottom Overlay:
  text "CONTACTOR SENSE" at 25.098,15.1 h0.8
  text "3V3" at 15.501,11.6 h0.8
  text "CONTACTOR GND" at 23.498,8.1 h0.8
  text "PRECHG PWR" at 21.099,4.6 h0.8